# Altium PCB MODULE_2x1G_DUAL_MEDIA_V1.0.PcbDoc (part 2 of 3) (continued)
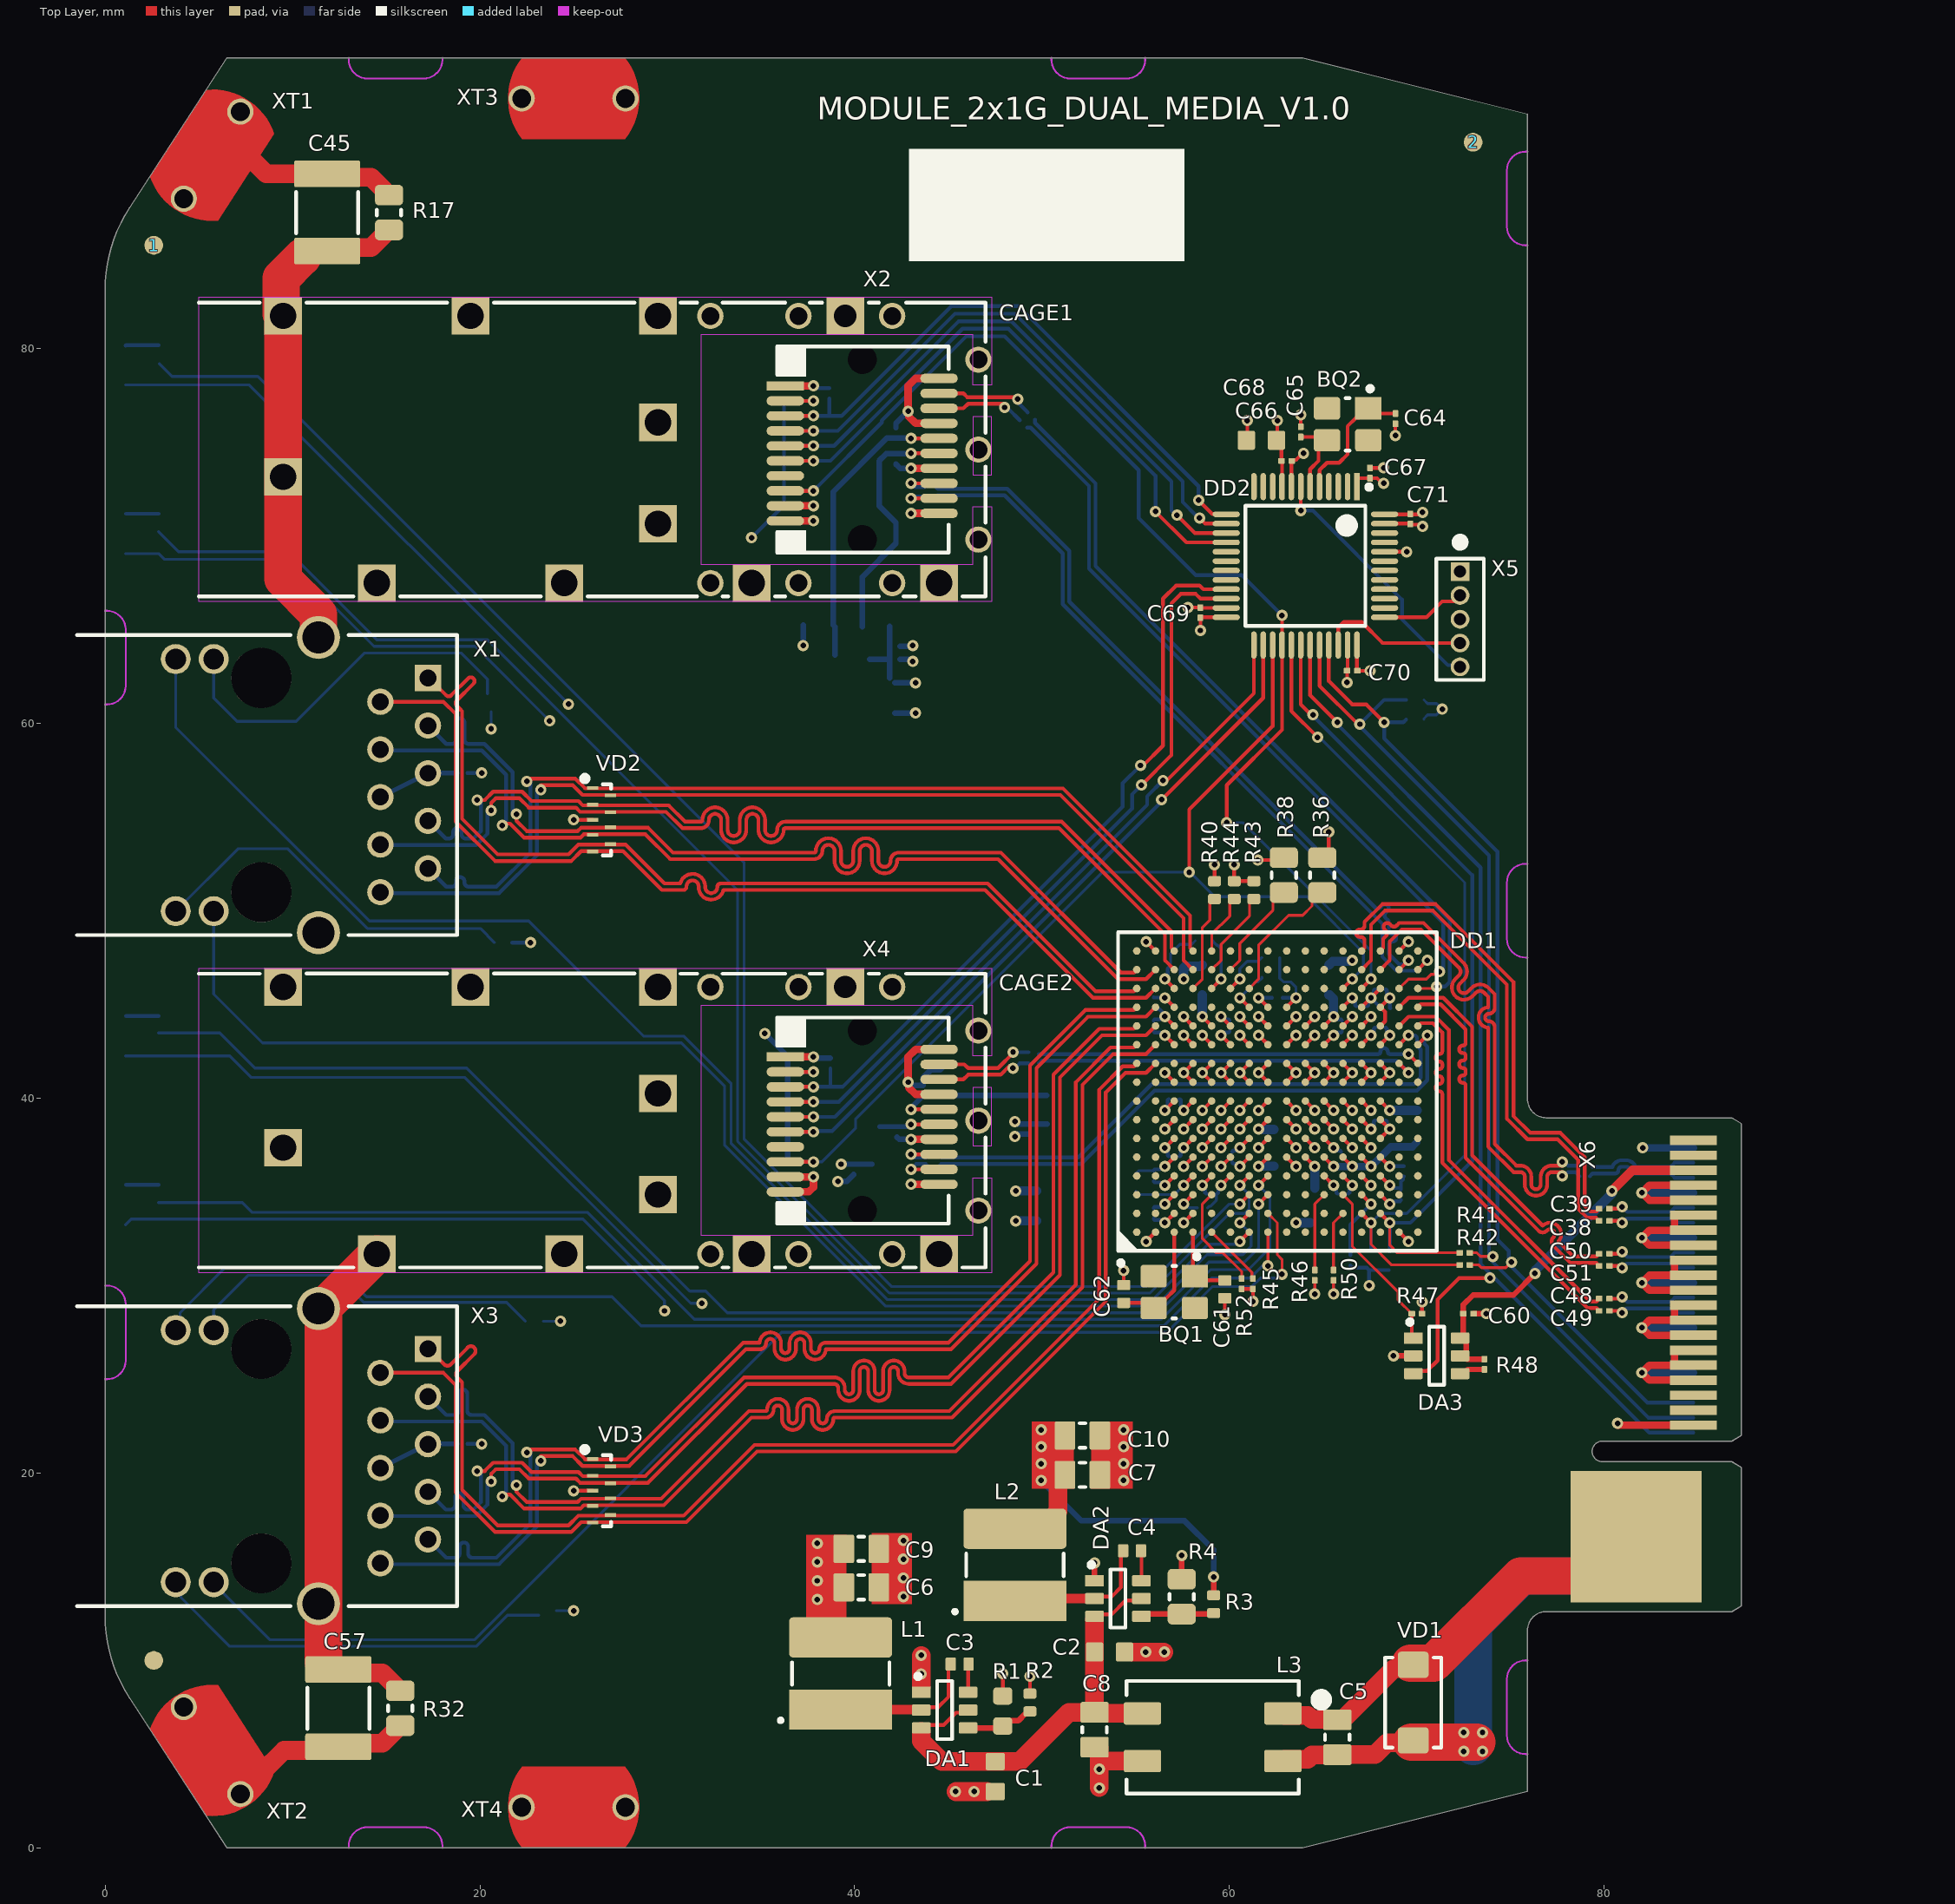
[diagram p0: Top Layer view]
## Nets (pads, with @x,y where several pads share a name; then routed paths per layer and width w, separated by ;. In a path a pad name is that pad's centre, name@x,y a point inside that pad or via, vN(x,y) a via of type N, cw(c..) or ccw(c..) an arc to the next point about the centre after c; other vN are vias at no path point) (continued)
  Bottom Layer w0.2: R7.1@36.775,75.6 v1(37.8,75.6) 39.1,75.6 45.35,81.85 48.55,81.85 57.5,72.9 57.5,71.8 v1@58.25,71.05
P0_SFP_LOS: DD1.N14 DD2.28 R12.1 X2.8 | length 63.7
  Top Layer w0.2: X2.8@36.3,72.4 v1(37.8,72.4) ; v1(59.85,54.7) 59.85,56.7 62.8,59.65 DD2.28@62.8,64.175 v1(62.8,65.75) ; DD1.N14@67.05,45.85 v1(67.55,46.35)
  Bottom Layer w0.15: v1(59.85,54.7) 60.7,54.7 67.55,47.85 v1(67.55,46.35)
  Bottom Layer w0.2: R12.1@36.775,72.4 v1(37.8,72.4) 41.45,76.05 41.45,76.15 45.95,80.65 48,80.65 55.15,73.5 55.15,70.95 58.2,67.9 60.65,67.9 v1(62.8,65.75)
P0_SGMII_RX_N: C37.2 DD1.P16 | length 26.4
  Top Layer w0.199: DD1.P16@68.05,47.85 68.202,48.002 68.202,48.502 68.35,48.65 ccw(c68.209,48.791) 68.35,48.931 68.281,49.001 cw(c68.421,49.142) 68.281,49.282 cw(c68.421,49.142) 68.562,49.282 68.644,49.2 ccw(c68.772,49.328) 68.9,49.2 69.048,49.348 70.352,49.348 72.486,47.214 cw(c72.028,46.756) 72.675,46.756 cw(c72.028,46.756) 72.486,46.299 72.298,46.11 ccw(c72.509,45.899) 72.297,45.687 ; 72.298,45.687 ccw(c72.509,45.899) 72.721,45.687 72.909,45.875 cw(c73.367,45.417) 73.825,45.875 74.148,45.552 74.148,44.817 cw(c73.834,44.817) 73.834,44.503 ccw(c73.834,44.304) 73.635,44.304 ccw(c73.834,44.304) 73.834,44.105 cw(c73.834,43.791) 74.148,43.791 74.148,37.552 75.3,36.4 75.506,36.4 cw(c75.506,35.803) 76.104,35.803 76.104,35.386 ccw(c76.353,35.386) 76.603,35.386 76.603,35.803 cw(c77.2,35.803) 77.2,36.4 v1@77.8,36.4
  Bottom Layer w0.199: v1(77.75,36.6) 77.859,36.6 78.06,36.399 78.594,36.399 C37.2@78.675,36.48
P0_SGMII_RX_P: C36.2 DD1.P15 | length 26.4
  Top Layer w0.199: DD1.P15@68.05,46.85 68.55,47.35 68.55,48.358 69.192,49 70.208,49 72.24,46.968 cw(c72.028,46.756) 72.327,46.756 cw(c72.028,46.756) 72.24,46.545 72.051,46.356 ccw(c72.509,45.899) 72.967,45.441 73.155,45.629 cw(c73.367,45.417) 73.579,45.629 73.8,45.408 73.8,44.85 ccw(c73.834,44.304) 73.287,44.304 ccw(c73.834,44.304) 73.8,43.758 73.8,37.408 75.156,36.052 75.506,36.052 cw(c75.506,35.803) 75.756,35.803 75.756,35.386 ccw(c76.353,35.386) 76.951,35.386 76.951,35.803 cw(c77.2,35.803) 77.2,36.052 v1@77.8,36.052
  Bottom Layer w0.199: v1(77.75,35.85) 77.859,35.85 78.06,36.051 78.454,36.051 C36.2@78.675,35.83
P0_SGMII_TX_N: C39.2 DD1.N16 | length 27.6
  Top Layer w0.199: DD1.N16@67.05,47.85 67.202,48.002 67.202,48.4 ccw(c67.003,48.4) 67.003,48.599 66.955,48.599 cw(c66.955,48.798) 66.756,48.798 cw(c66.955,48.798) 66.955,48.997 67.003,48.997 ccw(c67.003,49.196) 67.202,49.196 67.202,49.25 67.202,49.402 68.148,50.348 71.002,50.348 75.148,46.202 75.148,39.044 76.042,38.15 77.65,38.15 78.95,36.85 78.95,34.25 79.25,33.95 79.58,33.95 ; C39.2@79.584,33.959 C39.2@79.725,34.1
P0_SGMII_TX_P: C38.2 DD1.N15 | length 27.7
  Top Layer w0.199: DD1.N15@67.05,46.85 67.55,47.35 67.55,49.258 68.292,50 70.858,50 74.8,46.058 74.8,38.9 75.898,37.802 77.506,37.802 78.602,36.706 78.602,34.106 79.097,33.611 79.564,33.611 C38.2@79.725,33.45
P0_SHIELD: C45.2 CAGE1.SH R17.2 X1.SH | length 25.2
  Top Layer w1: C45.2@12.034,85.374 14.204,85.374 14.9,86.07 14.9,86.27 14.95,86.32 R17.2@15.15,86.32
  Top Layer w2: C45.2@10.525,84.875 9.4,83.75 9.4,81.83 CAGE1.SH@9.5,81.73 9.5,67.7 11.39,65.81 X1.SH@11.39,64.575
P1_SFP_CTRL_ENA: DD2.21 R25.1 X4.3 | length 40.9
  Top Layer w0.2: X4.3@36.3,40.6 v1(37.8,40.6) ; v1@55.35,57.7 56.45,58.8 56.45,66.65 57.15,67.35 58.4,67.35 58.6,67.15 DD2.21@59.825,67.15
  Bottom Layer w0.2: v1(37.8,40.6) 39.35,40.6 54.3,55.55 54.3,56.8 v1(55.25,57.75) ; 38.7,40.6 R25.1@38.7,41.575
P1_SFP_CTRL_PRES: DD2.26 R24.1 X4.6 | length 38.8
  Top Layer w0.2: X4.6@36.3,38.2 v1(37.8,38.2) ; v1(56.375,55.925) 61.8,61.35 DD2.26@61.8,64.175
  Bottom Layer w0.2: R24.1@36.975,38.2 v1(37.8,38.2) 37.849,38.249 38.799,38.249 v1@56.425,55.875
P1_SFP_CTRL_SCL: DD2.25 R23.1 X4.5 | length 38
  Top Layer w0.2: X4.5@36.3,39 v1(37.8,39) ; v1@56.55,56.85 61.3,61.6 DD2.25@61.3,64.175
  Bottom Layer w0.2: R23.1@36.975,39 v1(37.8,39) 38.95,39 55.6,55.65 55.6,56.1 v1(56.45,56.95)
P1_SFP_CTRL_SDA: DD2.22 R22.1 X4.4 | length 40.9
  Top Layer w0.2: X4.4@36.3,39.8 v1(37.8,39.8) ; v1(55.3,56.7) 56.9,58.3 56.9,66.4 57.4,66.9 58.2,66.9 58.45,66.65 DD2.22@59.825,66.65
  Bottom Layer w0.2: R22.1@36.975,39.8 v1(37.8,39.8) 39.15,39.8 54.8,55.45 54.8,56.2 v1(55.3,56.7)
P1_SFP_LOS: DD1.M14 DD2.27 R27.1 X4.8 | length 56.5
  Top Layer w0.2: X4.8@36.3,36.6 v1(37.8,36.6) ; v1(57.85,52.05) 57.85,55.4 62.3,59.85 DD2.27@62.3,64.175 ; DD1.M14@66.05,45.85 v1(66.55,46.35)
  Bottom Layer w0.15: v1(37.8,36.6) 38.25,36.6 40.05,38.4 40.05,38.9 53.2,52.05 v1(57.85,52.05) 57.9,52.05 59.2,50.75 64.15,50.75 67.15,47.75 67.15,46.95 v1(66.55,46.35)
  Bottom Layer w0.2: R27.1@36.975,36.6 v1(37.8,36.6)
P1_SGMII_RX_N: C49.2 DD1.T12 | length 21.3
  Top Layer w0.199: DD1.T12@70.05,43.85 70.202,44.002 70.848,44.002 71.352,43.498 71.352,42.95 71.352,42.751 71.352,42.5 cw(c71.205,42.5) 71.205,42.353 ccw(c71.205,42.154) 71.006,42.154 ccw(c71.205,42.154) 71.205,41.955 cw(c71.205,41.808) 71.352,41.808 71.352,41.704 cw(c71.205,41.704) 71.205,41.557 ccw(c71.205,41.358) 71.006,41.358 ccw(c71.205,41.358) 71.205,41.159 cw(c71.205,41.012) 71.352,41.012 71.352,40.908 cw(c71.205,40.908) 71.205,40.761 ccw(c71.205,40.562) 71.006,40.562 ccw(c71.205,40.562) 71.205,40.363 cw(c71.205,40.216) 71.352,40.216 71.352,39.965 71.352,39.9 71.352,36.556 79.106,28.802 79.573,28.802 C49.2@79.725,28.65
P1_SGMII_RX_P: C48.2 DD1.R12 | length 21.3
  Top Layer w0.199: DD1.R12@69.05,43.85 69.55,44.35 70.992,44.35 71.7,43.642 71.7,36.7 79.25,29.15 79.575,29.15 C48.2@79.725,29.3
P1_SGMII_TX_N: C51.2 DD1.T13 | length 21.4
  Top Layer w0.199: DD1.T13@70.05,44.85 70.202,45.002 71.262,45.002 72.6,43.664 72.6,43.4 72.6,43.201 72.6,42.95 cw(c72.453,42.95) 72.453,42.803 ccw(c72.453,42.604) 72.254,42.604 ccw(c72.453,42.604) 72.453,42.405 cw(c72.453,42.258) 72.6,42.258 72.6,42.154 cw(c72.453,42.154) 72.453,42.007 ccw(c72.453,41.808) 72.254,41.808 ccw(c72.453,41.808) 72.453,41.609 cw(c72.453,41.462) 72.6,41.462 72.6,41.358 cw(c72.453,41.358) 72.453,41.211 ccw(c72.453,41.012) 72.254,41.012 ccw(c72.453,41.012) 72.453,40.813 cw(c72.453,40.666) 72.6,40.666 72.6,40.415 72.6,40.25 72.6,36.808 76.482,32.926 ccw(c76.704,33.148) 76.925,32.926 cw(c77.102,32.75) 77.278,32.926 cw(c77.102,32.75) 77.351,32.75 cw(c77.102,32.75) 77.278,32.573 ccw(c77.5,32.351) 77.278,32.13 78.206,31.202 79.573,31.202 C51.2@79.725,31.05
P1_SGMII_TX_P: C50.2 DD1.R13 | length 21.3
  Top Layer w0.199: DD1.R13@69.05,44.85 69.55,45.35 71.406,45.35 72.948,43.808 72.948,40.25 72.948,36.952 76.704,33.196 cw(c77.102,32.75) 77.524,33.172 cw(c77.102,32.75) 77.699,32.75 cw(c77.102,32.75) 77.548,32.352 78.35,31.55 79.575,31.55 C50.2@79.725,31.7
P1_SHIELD: C57.2 CAGE2.SH R32.2 X3.SH | length 26.8
  Top Layer w1: C57.2@12.634,9.326 14.804,9.326 15.5,8.63 15.5,8.43 15.55,8.38 R32.2@15.75,8.38
  Top Layer w2: C57.2@11.65,9.9 11.65,28.434 11.447,28.636 11.447,28.751 11.621,28.925 11.745,28.925 CAGE2.SH@14.5,31.68
PHY0_Fx_LED_G: DD1.G3 R5.1 | length 89.2
  Top Layer w0.2: v1(60.55,34.35) DD1.G3@61.05,34.85
  Bottom Layer w0.15: R5.1@2.9,79.175 3.575,78.5 8.15,78.5 34.1,52.55 34.1,37.8 41.95,29.95 55.6,29.95 60,34.35 v1(60.55,34.35)
PHY0_Fx_LED_Y: DD1.G4 R6.1 | length 86.9
  Top Layer w0.2: v1(60.55,35.35) DD1.G4@61.05,35.85
  Bottom Layer w0.15: R6.1@2.85,70.225 3.925,69.15 9.8,69.15 14.5,64.45 20.4,64.45 33.75,51.1 33.75,37.7 41.85,29.6 55.75,29.6 60,33.85 60.8,33.85 61.05,34.1 61.05,34.85 v1(60.55,35.35)
PHY0_Fx_RX_N: DD1.T15 R14.1 | length 40.4
  Top Layer w0.2: DD1.T15@70.05,46.85 v1(70.55,47.35)
  Bottom Layer w0.199: R14.1@44.295,72.05 44.406,72.161 47.997,72.161 51.102,69.056 51.102,66.348 68.152,49.298 68.152,47.548 68.9,46.8 70,46.8 v1(70.55,47.35)
PHY0_Fx_RX_P: DD1.R15 R13.1 | length 40.4
  Top Layer w0.2: DD1.R15@69.05,46.85 v1(69.55,47.35)
  Bottom Layer w0.199: R13.1@44.295,72.65 44.436,72.509 48.141,72.509 51.45,69.2 51.45,66.492 67.771,50.171 ccw(c67.912,50.312) 68.052,50.171 68.155,50.273 cw(c68.295,50.132) 68.436,50.273 cw(c68.295,50.132) 68.436,49.992 68.334,49.89 ccw(c68.475,49.749) 68.334,49.608 68.446,49.496 68.5,49.442 68.5,48.95 68.5,48.948 ccw(c68.697,48.948) 68.697,48.751 cw(c68.697,48.552) 68.896,48.552 cw(c68.697,48.552) 68.697,48.353 ccw(c68.697,48.156) 68.5,48.156 68.5,48.05 68.5,47.692 69.044,47.148 69.348,47.148 v1(69.55,47.35)
PHY0_Fx_TX_N: DD1.T14 R16.1 | length 41
  Top Layer w0.15: DD1.T14@70.05,45.85 70.95,45.85 v1(71.05,45.95)
  Bottom Layer w0.199: R16.1@49.621,76.198 49.621,76.029 52.85,72.8 52.85,68.392 71.748,49.494 71.748,46.198 71.5,45.95 v1(71.05,45.95)
PHY0_Fx_TX_P: DD1.R14 R15.1 | length 40.9
  Top Layer w0.15: DD1.R14@69.05,45.85 69.55,46.35 70.5,46.35 70.75,46.6 71.05,46.6 v1(71.2,46.75)
  Bottom Layer w0.199: R15.1@49.197,75.774 49.384,75.774 52.502,72.656 52.502,68.248 71.4,49.35 v1@71.4,46.75
PHY0_TXRX_A_N: DD1.B14 VD2.5 X1.2 | length 52.9
  Top Layer w0.199: X1.2@14.8,61.145 18.055,61.145 18.702,60.498 18.702,54.756 20.806,52.652 24.877,52.652 25.4,53.175 27.633,53.175 29.706,51.102 30.848,51.102 ccw(c30.848,51.276) 31.022,51.276 ; 31.022,51.291 cw(c31.347,51.291) 31.671,51.291 31.671,51.261 ccw(c32.344,51.261) 32.997,51.102 46.956,51.102 52.708,45.35 54.898,45.35 55.55,45.35 DD1.B14@56.05,45.85
PHY0_TXRX_A_P: DD1.A14 VD2.6 X1.1 | length 52.9
  Top Layer w0.199: X1.1@17.146,62.546 18.196,61.496 ccw(c18.337,61.637) 18.477,61.496 19.372,62.391 cw(c19.513,62.25) 19.654,62.391 cw(c19.513,62.25) 19.654,62.109 18.759,61.215 ccw(c18.9,61.074) 18.759,60.933 18.9,60.793 18.971,60.721 19.05,60.642 19.05,54.9 20.95,53 24.733,53 25.256,53.523 27.777,53.523 29.85,51.45 30.694,51.45 cw(c31.347,51.291) 32.019,51.291 32.019,51.261 ccw(c32.344,51.261) 32.668,51.261 ; 32.668,51.276 cw(c32.842,51.276) 32.842,51.45 47.1,51.45 52.852,45.698 54.898,45.698 DD1.A14@55.05,45.85
PHY0_TXRX_B_N: DD1.B15 VD2.4 X1.4 | length 52.6
  Top Layer w0.199: v1@21.3,54.65 21.608,54.65 22.358,53.9 25.367,53.9 25.542,54.075 28.833,54.075 30.156,52.752 37.834,52.752 ccw(c37.834,53.191) 38.272,53.191 cw(c38.597,53.191) 38.921,53.191 38.921,52.661 ccw(c39.594,52.661) 40.266,52.661 40.266,53.191 cw(c40.591,53.191) 40.915,53.191 40.915,52.661 ccw(c41.588,52.661) 42.26,52.661 cw(c42.351,52.661) 42.351,52.752 47.656,52.752 54.058,46.35 54.898,46.35 55.55,46.35 DD1.B15@56.05,46.85
  Bottom Layer w0.199: X1.4@14.777,58.55 20.1,58.55 21.4,57.25 v1@21.4,54.55
  other v1: 21.2,54.55
PHY0_TXRX_B_P: DD1.A15 VD2.7 X1.3 | length 51.3
  Top Layer w0.199: v1(21.95,55.15) 21.95,54.8 22.502,54.248 22.8,54.248 24.85,54.248 25.223,54.248 25.398,54.423 28.977,54.423 30.3,53.1 37.834,53.1 ccw(c37.834,53.191) 37.925,53.191 cw(c38.597,53.191) 39.269,53.191 39.269,52.661 ccw(c39.594,52.661) 39.918,52.661 39.918,53.191 cw(c40.591,53.191) 41.263,53.191 41.263,52.661 ccw(c41.588,52.661) 41.912,52.661 cw(c42.351,52.661) 42.351,53.1 47.8,53.1 54.202,46.698 54.898,46.698 DD1.A15@55.05,46.85
  Bottom Layer w0.199: X1.3@17.23,59.875 18.207,58.898 18.5,58.898 ccw(c18.5,59.122) 18.724,59.122 18.724,60.036 cw(c18.949,60.036) 18.949,60.261 cw(c18.949,60.036) 19.173,60.036 19.173,59.122 ccw(c19.398,59.122) 19.398,58.898 19.622,58.898 20.071,58.898 20.2,58.898 20.244,58.898 21.75,57.392 v1@21.75,55.15
PHY0_TXRX_C_N: DD1.C15 VD2.8 X1.8 | length 52.8
  Top Layer w0.199: v1@20.6,55.45 20.6,55.75 20.85,56 22.108,56 22.608,55.5 25.125,55.5 25.348,55.277 29.931,55.277 30.806,54.402 31.784,54.402 ccw(c31.784,54.841) 32.222,54.841 cw(c32.547,54.841) 32.871,54.841 32.871,54.311 ccw(c33.544,54.311) 34.216,54.311 34.216,54.841 cw(c34.541,54.841) 34.865,54.841 34.865,54.311 ccw(c35.538,54.311) 36.21,54.311 cw(c36.301,54.311) 36.301,54.402 50.898,54.402 56.55,48.75 56.55,48.002 56.55,47.35 DD1.C15@57.05,46.85
  Bottom Layer w0.199: X1.8@14.777,53.47 14.808,53.5 19.8,53.5 20.398,54.098 v1@20.398,55.35
  other v1: 20.6,55.35
PHY0_TXRX_C_P: DD1.C16 VD2.2 X1.7 | length 51.4
  Top Layer w0.199: v1(19.85,55.9) 20.258,55.9 20.706,56.348 20.95,56.348 21.9,56.348 22.252,56.348 22.752,55.848 25.269,55.848 25.492,55.625 30.075,55.625 30.95,54.75 31.784,54.75 ccw(c31.784,54.841) 31.875,54.841 cw(c32.547,54.841) 33.219,54.841 33.219,54.311 ccw(c33.544,54.311) 33.868,54.311 33.868,54.841 cw(c34.541,54.841) 35.213,54.841 35.213,54.311 ccw(c35.538,54.311) 35.862,54.311 cw(c36.301,54.311) 36.301,54.75 51.042,54.75 56.898,48.894 56.898,48.002 DD1.C16@57.05,47.85
  Bottom Layer w0.199: X1.7@17.23,54.795 18.177,53.848 18.35,53.848 ccw(c18.35,54.072) 18.574,54.072 18.574,54.187 cw(c18.799,54.187) 18.799,54.411 cw(c18.799,54.187) 19.023,54.187 19.023,54.072 ccw(c19.248,54.072) 19.248,53.848 19.4,53.848 19.656,53.848 20.05,54.242 v1@20.05,55.95
PHY0_TXRX_D_N: DD1.D15 VD2.9 X1.10 | length 52.9
  Top Layer w0.199: v1@23.25,56.7 24.95,56.7 25.473,56.177 50.973,56.177 57.55,49.6 57.55,47.35 DD1.D15@58.05,46.85
  Bottom Layer w0.199: X1.10@14.777,50.93 21.022,50.93 23.048,52.956 v1@23.048,56.5
  other v1: 23.25,56.45
PHY0_TXRX_D_P: DD1.D16 VD2.1 X1.9 | length 51.5
  Top Layer w0.199: v1(22.5,56.9) 22.648,57.048 23.05,57.048 24.25,57.048 25.094,57.048 25.617,56.525 51.117,56.525 57.898,49.744 57.898,48.002 DD1.D16@58.05,47.85
  Bottom Layer w0.199: X1.9@17.23,52.255 18.207,51.278 18.5,51.278 ccw(c18.5,51.502) 18.724,51.502 18.724,51.566 cw(c18.949,51.566) 18.949,51.791 cw(c18.949,51.566) 19.173,51.566 19.173,51.502 ccw(c19.398,51.502) 19.398,51.278 19.622,51.278 20,51.278 20.878,51.278 22.7,53.1 v1@22.7,56.9
PHY0_TXRX_LED_G: DD1.G1 X1.12 | length 76.9
  Top Layer w0.2: v1(60.55,32.35) DD1.G1@61.05,32.85
  Bottom Layer w0.15: X1.12@3.77,63.425 3.77,59.78 14.1,49.45 22.6,49.45 28.75,43.3 30.9,43.3 33.4,40.8 33.4,37.6 41.75,29.25 55.9,29.25 58.85,32.2 60.4,32.2 v1(60.55,32.35)
PHY0_TXRX_LED_Y: DD1.G2 X1.13 | length 72
  Top Layer w0.2: v1(60.55,33.35) DD1.G2@61.05,33.85
  Bottom Layer w0.15: X1.13@5.8,49.975 5.8,45.55 8.4,42.95 30.75,42.95 33.05,40.65 33.05,37.5 41.65,28.9 56.05,28.9 58.8,31.65 60.7,31.65 61.15,32.1 61.15,32.75 v1(60.55,33.35)
PHY1_Fx_LED_G: DD1.H3 R20.1 | length 69.4
  Top Layer w0.2: v1(61.55,34.35) DD1.H3@62.05,34.85
  Bottom Layer w0.15: R20.1@2.85,43.475 6.125,43.475 8,41.6 19.3,41.6 31.2,29.7 32.05,29.7 33.2,28.55 56.2,28.55 58.9,31.25 60.8,31.25 61.55,32 v1(61.55,34.35)
PHY1_Fx_LED_Y: DD1.H4 R21.1 | length 67.8
  Top Layer w0.2: v1(61.55,35.35) DD1.H4@62.05,35.85
  Bottom Layer w0.15: R21.1@2.85,34.425 7.325,34.425 7.85,33.9 25.75,33.9 31.45,28.2 56.35,28.2 59,30.85 61,30.85 62.15,32 62.15,34.75 v1(61.55,35.35)
PHY1_Fx_RX_N: DD1.T11 R29.1 | length 31.2
  Top Layer w0.2: DD1.T11@70.05,42.85 v1(70.55,43.35)
  Bottom Layer w0.2: R29.1@44.475,36.35 44.606,36.481 52.075,36.481 55.995,40.401 70.001,40.401 70.55,40.95 70.55,42.744 70.399,42.895 70.399,43.225 70.524,43.35 v1(70.55,43.35)
PHY1_Fx_RX_P: DD1.R11 R28.1 | length 31
  Top Layer w0.2: DD1.R11@69.05,42.85 v1(69.55,43.35)
  Bottom Layer w0.2: R28.1@44.475,36.95 44.595,36.83 51.93,36.83 55.85,40.75 69.856,40.75 70.201,41.095 70.201,42.599 70,42.8 70,43.25 69.9,43.35 v1(69.55,43.35)
PHY1_Fx_TX_N: DD1.T10 R31.1 | length 20.8
  Top Layer w0.2: v1(69.55,42.35) DD1.T10@70.05,41.85
  Bottom Layer w0.2: R31.1@49.825,42.35 67.65,42.35 67.937,42.35 ccw(c67.937,42.463) 68.05,42.463 cw(c68.25,42.463) 68.25,42.663 cw(c68.25,42.463) 68.45,42.463 ccw(c68.563,42.463) 68.563,42.35 68.85,42.35 69.05,42.35 v1(69.55,42.35)
PHY1_Fx_TX_P: DD1.R10 R30.1 | length 20.8
  Top Layer w0.2: DD1.R10@69.05,41.85 v1(69.55,41.35)
  Bottom Layer w0.2: R30.1@49.825,41.85 49.976,42.001 68.899,42.001 v1(69.55,41.35)
PHY1_TXRX_A_N: DD1.B10 VD3.5 X3.2 | length 65
  Top Layer w0.199: X3.2@14.8,25.345 18.055,25.345 18.702,24.698 18.702,18.956 20.806,16.852 24.877,16.852 25.4,17.375 31.017,17.375 34.794,21.152 45.394,21.152 53.4,29.158 53.4,40.308 54.442,41.35 55.55,41.35 DD1.B10@56.05,41.85
PHY1_TXRX_A_P: DD1.A10 VD3.6 X3.1 | length 65.1
  Top Layer w0.199: X3.1@17.146,26.746 18.098,25.794 ccw(c18.274,25.971) 18.451,25.794 19.345,26.688 cw(c19.521,26.512) 19.698,26.688 cw(c19.521,26.512) 19.698,26.335 18.804,25.441 ccw(c18.98,25.265) 18.804,25.088 18.98,24.912 19.046,24.846 19.05,24.842 19.05,19.1 20.95,17.2 24.733,17.2 25.256,17.723 30.873,17.723 34.65,21.5 45.25,21.5 53.052,29.302 53.052,40.452 54.298,41.698 54.898,41.698 DD1.A10@55.05,41.85
PHY1_TXRX_B_N: DD1.B11 VD3.4 X3.4 | length 65.1
  Top Layer w0.199: v1@21.3,18.85 21.608,18.85 22.358,18.1 25.367,18.1 25.542,18.275 29.817,18.275 34.494,22.952 35.244,22.952 ccw(c35.244,23.38) 35.672,23.38 cw(c35.897,23.38) 36.121,23.38 36.121,22.872 ccw(c36.694,22.872) 37.266,22.872 37.266,23.38 cw(c37.491,23.38) 37.715,23.38 37.715,22.872 ccw(c38.288,22.872) 38.86,22.872 cw(c38.941,22.872) 38.941,22.952 45.194,22.952 52.15,29.908 52.15,40.708 53.792,42.35 54.898,42.35 55.55,42.35 DD1.B11@56.05,42.85
  Bottom Layer w0.199: X3.4@14.777,22.75 20.1,22.75 21.4,21.45 v1@21.4,18.75
  other v1: 21.2,18.75
PHY1_TXRX_B_P: DD1.A11 VD3.7 X3.3 | length 63.9
  Top Layer w0.199: v1(21.95,19.35) 21.95,19 22.502,18.448 25.223,18.448 25.398,18.623 29.673,18.623 34.35,23.3 35.244,23.3 ccw(c35.244,23.38) 35.325,23.38 cw(c35.897,23.38) 36.469,23.38 36.469,22.872 ccw(c36.694,22.872) 36.918,22.872 36.918,23.38 cw(c37.491,23.38) 38.063,23.38 38.063,22.872 ccw(c38.288,22.872) 38.512,22.872 cw(c38.941,22.872) 38.941,23.3 45.05,23.3 51.802,30.052 51.802,40.852 53.648,42.698 54.898,42.698 DD1.A11@55.05,42.85
  Bottom Layer w0.199: X3.3@17.23,24.075 18.207,23.098 18.65,23.098 ccw(c18.65,23.322) 18.874,23.322 18.874,24.226 cw(c19.099,24.226) 19.099,24.45 cw(c19.099,24.226) 19.323,24.226 19.323,23.322 ccw(c19.548,23.322) 19.548,23.098 19.772,23.098 20,23.098 20.244,23.098 21.75,21.592 v1@21.75,19.35
PHY1_TXRX_C_N: DD1.B12 VD3.8 X3.8 | length 65.1
  Top Layer w0.199: v1@20.6,19.65 20.6,19.95 20.85,20.2 22.108,20.2 22.608,19.7 25.125,19.7 25.348,19.477 28.969,19.477 34.244,24.752 38.9,24.752 cw(c38.9,24.528) 39.125,24.528 39.125,24.422 ccw(c39.697,24.422) 40.269,24.422 40.269,25.43 cw(c40.494,25.43) 40.718,25.43 40.718,24.422 ccw(c41.291,24.422) 41.863,24.422 41.863,25.43 cw(c42.088,25.43) 42.312,25.43 42.312,25.324 ccw(c42.885,25.324) 42.885,24.752 45.144,24.752 50.95,30.558 50.95,41.108 53.192,43.35 54.898,43.35 55.55,43.35 DD1.B12@56.05,43.85
  Bottom Layer w0.199: X3.8@14.777,17.67 14.808,17.7 19.8,17.7 20.398,18.298 v1@20.398,19.55
  other v1: 20.6,19.55
PHY1_TXRX_C_P: DD1.A12 VD3.2 X3.7 | length 63.8
  Top Layer w0.199: v1(19.85,20.1) 20.258,20.1 20.706,20.548 22.252,20.548 22.752,20.048 25.269,20.048 25.492,19.825 28.825,19.825 34.1,25.1 38.9,25.1 cw(c38.9,24.528) 39.472,24.528 39.472,24.422 ccw(c39.697,24.422) 39.921,24.422 39.921,25.43 cw(c40.494,25.43) 41.066,25.43 41.066,24.422 ccw(c41.291,24.422) 41.515,24.422 41.515,25.43 cw(c42.088,25.43) 42.66,25.43 42.66,25.324 ccw(c42.885,25.324) 42.885,25.1 45,25.1 50.602,30.702 50.602,41.252 53.048,43.698 54.898,43.698 DD1.A12@55.05,43.85
  Bottom Layer w0.199: X3.7@17.23,18.995 18.177,18.048 18.45,18.048 ccw(c18.45,18.272) 18.674,18.272 18.674,18.687 cw(c18.899,18.687) 18.899,18.911 cw(c18.899,18.687) 19.123,18.687 19.123,18.272 ccw(c19.348,18.272) 19.348,18.048 19.35,18.048 19.656,18.048 20.05,18.442 v1@20.05,20.15
PHY1_TXRX_D_N: DD1.B13 VD3.9 X3.10 | length 64.8
  Top Layer w0.199: v1@23.25,20.9 24.95,20.9 25.473,20.377 27.969,20.377 34.194,26.602 34.944,26.602 ccw(c34.944,26.93) 35.272,26.93 cw(c35.497,26.93) 35.721,26.93 35.721,26.622 ccw(c36.294,26.622) 36.866,26.622 36.866,26.93 cw(c37.091,26.93) 37.315,26.93 37.315,26.622 ccw(c37.888,26.622) 38.46,26.602 45.144,26.602 49.7,31.158 49.7,41.6 52.45,44.35 54.898,44.35 55.55,44.35 DD1.B13@56.05,44.85
  Bottom Layer w0.199: X3.10@14.777,15.13 21.022,15.13 23.048,17.156 v1@23.048,20.7
  other v1: 23.25,20.65
PHY1_TXRX_D_P: DD1.A13 VD3.1 X3.9 | length 63.5
  Top Layer w0.199: v1(22.5,21.1) 22.648,21.248 25.094,21.248 25.617,20.725 27.825,20.725 34.05,26.95 34.925,26.95 cw(c35.497,26.93) 36.069,26.93 36.069,26.622 ccw(c36.294,26.622) 36.518,26.622 36.518,26.93 cw(c37.091,26.93) 37.663,26.93 37.663,26.622 ccw(c37.888,26.622) 38.112,26.622 cw(c38.441,26.622) 38.441,26.95 45,26.95 49.352,31.302 49.352,41.744 52.306,44.698 54.898,44.698 DD1.A13@55.05,44.85
  Bottom Layer w0.199: X3.9@17.23,16.455 18.207,15.478 18.7,15.478 ccw(c18.7,15.702) 18.924,15.702 18.924,16.066 cw(c19.149,16.066) 19.149,16.291 cw(c19.149,16.066) 19.373,16.066 19.373,15.702 ccw(c19.598,15.702) 19.598,15.478 19.822,15.478 19.9,15.478 20.878,15.478 22.7,17.3 v1@22.7,21.1
PHY1_TXRX_LED_G: DD1.H1 X3.12 | length 64.5
  Top Layer w0.15: v1(62.05,31.05) DD1.H1@62.05,32.85
  Bottom Layer w0.15: X3.12@3.77,27.625 4,27.855 4,28.55 6.4,30.95 12.4,30.95 13.95,29.4 27.05,29.4 28.6,27.85 56.5,27.85 59.05,30.4 61.1,30.4 61.75,31.05 v1(62.05,31.05)
PHY1_TXRX_LED_Y: DD1.H2 X3.13 | length 70
  Top Layer w0.15: DD1.H2@62.05,33.85 62.55,33.35 62.55,31.65 62.8,31.4 v1(62.8,30.6)
  Bottom Layer w0.15: X3.13@5.8,14.175 5.8,14.1 8.8,11.1 19.7,11.1 36.1,27.5 56.65,27.5 59.1,29.95 61.2,29.95 61.65,30.4 62.6,30.4 v1(62.8,30.6)
PORT0_SGMII_RX_N: C37.1 X6.38 | length 6
  Bottom Layer w0.199: C37.1@79.225,36.48 79.381,36.324 ; 79.4,36.324 80.428,36.324 cw(c80.937,36.15) 80.937,36.687 81.157,36.687 cw(c81.157,36.15) 81.666,36.324 83.524,36.324 83.75,36.55 X6.38@84.75,36.55
PORT0_SGMII_RX_P: C36.1 X6.36 | length 6.1
  Bottom Layer w0.199: C36.1@79.225,35.83 79.371,35.976 80.573,35.976 ccw(c80.573,36.15) 80.747,36.15 cw(c80.937,36.15) 80.937,36.339 81.157,36.339 cw(c81.157,36.15) 81.346,36.15 ccw(c81.52,36.15) 81.52,35.976 83.524,35.976 83.75,35.75 X6.36@84.75,35.75
PORT0_SGMII_TX_N: C39.1 X6.32 | length 4.7
  Top Layer w0.2: C39.1@80.275,34.1 v1@80.95,34.1
  Bottom Layer w0.199: v1(80.95,34.2) 81.226,33.924 83.524,33.924 83.75,34.15 X6.32@84.75,34.15
PORT0_SGMII_TX_P: C38.1 X6.30 | length 4.7
  Top Layer w0.2: C38.1@80.275,33.45 v1@80.95,33.45
  Bottom Layer w0.199: v1(80.95,33.35) 81.176,33.576 83.524,33.576 83.75,33.35 X6.30@84.75,33.35
PORT1_SGMII_RX_N: C49.1 X6.18 | length 4.7
  Top Layer w0.2: C49.1@80.275,28.65 v1@80.95,28.65
  Bottom Layer w0.199: v1(80.95,28.55) 81.176,28.776 83.524,28.776 83.75,28.55 X6.18@84.75,28.55
PORT1_SGMII_RX_P: C48.1 X6.20 | length 4.7
  Top Layer w0.2: C48.1@80.275,29.3 v1@80.95,29.3
  Bottom Layer w0.199: v1(80.95,29.4) 81.226,29.124 83.524,29.124 83.75,29.35 X6.20@84.75,29.35
PORT1_SGMII_TX_N: C51.1 X6.24 | length 4.7
  Top Layer w0.2: C51.1@80.275,31.05 v1@80.95,31.05
  Bottom Layer w0.199: v1(80.95,30.95) 81.176,31.176 83.524,31.176 83.75,30.95 X6.24@84.75,30.95
PORT1_SGMII_TX_P: C50.1 X6.26 | length 4.7
  Top Layer w0.2: C50.1@80.275,31.7 v1@80.95,31.7
  Bottom Layer w0.199: v1(80.95,31.8) 81.226,31.524 83.524,31.524 83.75,31.75 X6.26@84.75,31.75
SHIELD: C45.1 C57.1 R17.1 R32.1 XT1.1 XT2.1 XT3.1 XT4.1 | length 17.6
  Top Layer w1: 6.9,91 8.59,89.31 C45.1@11.85,89.31 ; 8.35,4 9.55,5.2 12.26,5.2 C57.1@12.45,5.39 ; C45.1@12.034,89.126 14.204,89.126 14.9,88.43 14.9,88.23 14.95,88.18 R17.1@15.15,88.18 ; C57.1@12.634,5.574 14.804,5.574 15.5,6.27 15.5,6.47 15.55,6.52 R32.1@15.75,6.52
SOFT_RESET: DA3.3 DD2.31 X6.2 | length 60
  Top Layer w0.2: DD2.31@64.3,64.175 64.3,61.5 v1(65.75,60.05) ; DA3.3@69.8,25.3 69.95,25.45 70.55,25.45 71.1,26 71.1,29.25 72.25,30.4 v1(73.9,30.4)
  Bottom Layer w0.2: v1@65.7,60 73.4,52.3 73.4,31.15 82.4,22.15 X6.2@84.75,22.15
SYS_RESET: DA3.1 DD1.M3 R47.2 | length 9
  Top Layer w0.15: DD1.M3@66.05,34.85 66.55,34.35 66.55,32.1 69,29.65 69,29.225 R47.2@69.725,28.5
  Top Layer w0.2: DA3.1@69.725,27.325 R47.2@69.725,28.5
VDD12A: C11.1 C13.1 C16.1 C21.1 DD1.C7 DD1.C8 DD1.C9 DD1.C13 DD1.P6 DD1.P7 DD1.P8 DD1.P9 DD1.P10 DD1.P11 L4.2 | length 11.2
  Top Layer w0.2: v1(56.55,38.35) DD1.C7@57.05,38.85 ; v1(56.55,39.35) DD1.C8@57.05,39.85 ; v1(56.55,41.35) DD1.C9@57.05,40.85 ; v1(56.55,45.35) DD1.C13@57.05,44.85 ; DD1.P6@68.05,37.85 v1(68.55,38.35) DD1.P7@68.05,38.85 ; DD1.P8@68.05,39.85 v1(68.55,39.35) ; DD1.P9@68.05,40.85 v1(68.55,41.35) DD1.P10@68.05,41.85 ; DD1.P11@68.05,42.85 v1(68.55,43.35)
  Bottom Layer w0.2: C16.1@55.95,45.375 55.962,45.362 v1@56.538,45.362 ; v1(56.55,39.35) 56.55,39.458 56.7,39.608 56.7,39.875 56.7,39.9 56.75,39.95 C21.1@56.775,39.95 ; C11.1@68.325,38.8 68.35,38.8 68.4,38.75 68.4,38.725 68.4,38.458 68.529,38.329 68.55,38.308 v1@68.55,38.2 ; C13.1@68.325,43.75 68.35,43.75 68.4,43.7 68.4,43.675 68.4,43.408 68.504,43.304 68.55,43.258 v1@68.55,43.15
  Bottom Layer w0.5: v1(68.55,39.35) L4.2@70,39.35
VIN+: C5.2 L3.2 VD1.2 X6.P1 | length 23.2
  Top Layer w1: L3.2@62.85,7.17 62.95,7.07 64.18,7.07 64.399,6.851 65.729,6.851 C5.2@65.75,6.83 65.8,6.88 66.08,6.88 68.765,9.565 69.6,9.565 VD1.2@69.8,9.765
  Top Layer w2: VD1.2@69.65,9.85 70.885,9.85 75.535,14.5 79.6,14.5 X6.P1@81.7,16.6
VIN-: C5.1 L3.1 VD1.1 X6.P2 | length 28
  Top Layer w1: L3.1@62.85,4.63 62.95,4.73 64.18,4.73 64.399,4.949 65.729,4.949 C5.1@65.75,4.97 67.77,4.97 68.398,5.598 69.663,5.598 69.7,5.635 VD1.1@69.8,5.735
  Top Layer w2: VD1.1@69.7,5.635 73.185,5.635
  Bottom Layer w2: 73,5.4 73,11.9 75.6,14.5 79.6,14.5 X6.P2@81.7,16.6
  other v1: 72.5,5.15 73.5,5.15 72.5,6.15 73.5,6.15
pads on no net: 1.FM 2.FM 3.FM 4.FM 5.FM ?.FM BQ1.2 BQ1.4 BQ2.2 BQ2.4 DD1.A1 DD1.A2 DD1.A3 DD1.A4 DD1.A5 DD1.A6 DD1.A7 DD1.A8 DD1.A9 DD1.A16 DD1.B2 DD1.B3 DD1.B4 DD1.B5 DD1.B6 DD1.B7 DD1.B8 DD1.B9 DD1.C10 DD1.D13 DD1.E2 DD1.E13 DD1.F1 DD1.F2 DD1.F3 DD1.F13 DD1.F16 DD1.G15 DD1.G16 DD1.H14 DD1.H15 DD1.H16 DD1.J1 DD1.J2 DD1.J3 DD1.J4 DD1.J14 DD1.J15 DD1.J16 DD1.K1 DD1.K2 DD1.K3 DD1.K4 DD1.K13 DD1.K14 DD1.K15 DD1.K16 DD1.L1 DD1.L2 DD1.L13 DD1.L14 DD1.L15 DD1.L16 DD1.M1 DD1.M15 DD1.M16 DD1.N1 DD1.N4 DD1.P1 DD1.R2 DD1.R3 DD1.R4 DD1.R5 DD1.R6 DD1.R7 DD1.R8 DD1.R9 DD1.T1 DD1.T2 DD1.T3 DD1.T4 DD1.T5 DD1.T6 DD1.T7 DD1.T8 DD1.T9 DD1.T16 DD2.2 DD2.3 DD2.4 DD2.10 DD2.11 DD2.12 DD2.17 DD2.18 DD2.19 DD2.20 DD2.38 DD2.39 DD2.40 DD2.41 DD2.42 DD2.43 DD2.45 DD2.46 X1.0 X2.0 X2.7 X3.0 X4.0 X4.7 X6.3 X6.5 X6.8 X6.12 X6.14 X6.37 X6.39 XT1.0 XT2.0 XT3.0 XT4.0
copper on no net: | length 0.7
  Top Layer w0.2: 67.05,35.85 v1(67.55,35.35)

## Polygon pours and split planes (outlines as drawn)
SHIELD on Int1 (GND) (split plane): 28.948,90.704 27.396,89.152 20.05,89.152 19.985,89.144 19.924,89.118 19.894,89.096 19.872,89.078 12.872,82.078 12.832,82.026 12.806,81.965 12.798,81.9 12.798,13.35 12.806,13.285 12.832,13.224 12.872,13.172 19.622,6.422 19.674,6.382 19.735,6.356 19.8,6.348 27.496,6.348 29.298,4.546 29.298,0.51 6.777,0.51 1.719,8.3 1.717,8.302 1.715,8.305 1.714,8.307 1.574,8.527 1.393,8.847 1.228,9.176 1.079,9.512 0.946,9.855 0.831,10.204 0.733,10.558 0.652,10.917 0.589,11.28 0.544,11.645 0.517,12.011 0.509,12.361 0.51,12.379 0.51,83.121 0.509,83.139 0.517,83.489 0.544,83.855 0.589,84.22 0.652,84.583 0.733,84.942 0.831,85.296 0.946,85.645 1.079,85.988 1.228,86.324 1.393,86.653 1.574,86.973 1.714,87.193 1.715,87.195 1.717,87.198 1.719,87.2 6.777,94.99 28.948,94.99
GND on Int1 (GND) (split plane): 75.39,92.101 75.39,39.95 75.39,39.948 75.399,39.781 75.427,39.614 75.474,39.451 75.539,39.295 75.621,39.146 75.719,39.008 75.832,38.882 75.958,38.769 76.096,38.671 76.245,38.589 76.401,38.524 76.564,38.477 76.731,38.449 76.857,38.442 76.864,38.441 76.874,38.441 76.898,38.44 76.9,38.44 86.659,38.44 86.79,38.361 86.79,22.289 86.659,22.21 79.9,22.21 79.894,22.21 79.762,22.201 79.626,22.174 79.494,22.13 79.37,22.068 79.255,21.991 79.15,21.9 79.059,21.795 78.982,21.68 78.92,21.556 78.876,21.424 78.849,21.288 78.84,21.15 78.849,21.012 78.876,20.876 78.92,20.744 78.982,20.62 79.059,20.505 79.15,20.4 79.255,20.309 79.37,20.232 79.494,20.17 79.626,20.126 79.762,20.099 79.894,20.09 79.9,20.09 86.659,20.09 86.79,20.011 86.79,13.189 86.659,13.11 76.9,13.11 76.898,13.11 76.731,13.101 76.564,13.073 76.401,13.026 76.245,12.961 76.096,12.879 75.958,12.781 75.832,12.668 75.719,12.542 75.621,12.404 75.539,12.255 75.474,12.099 75.427,11.936 75.399,11.769 75.39,11.602 75.39,11.6 75.39,3.399 63.837,0.51 29.802,0.51 29.802,4.65 29.794,4.715 29.768,4.776 29.728,4.828 27.778,6.778 27.726,6.818 27.665,6.844 27.6,6.852 19.904,6.852 13.302,13.454 13.302,81.796 20.154,88.648 27.5,88.648 27.565,88.656 27.626,88.682 27.678,88.722 29.378,90.422 29.396,90.444 29.418,90.474 29.444,90.535 29.452,90.6 29.452,94.99 63.837,94.99